# EAGLE board working (EAGLE 9.6.2), part 20 of 28
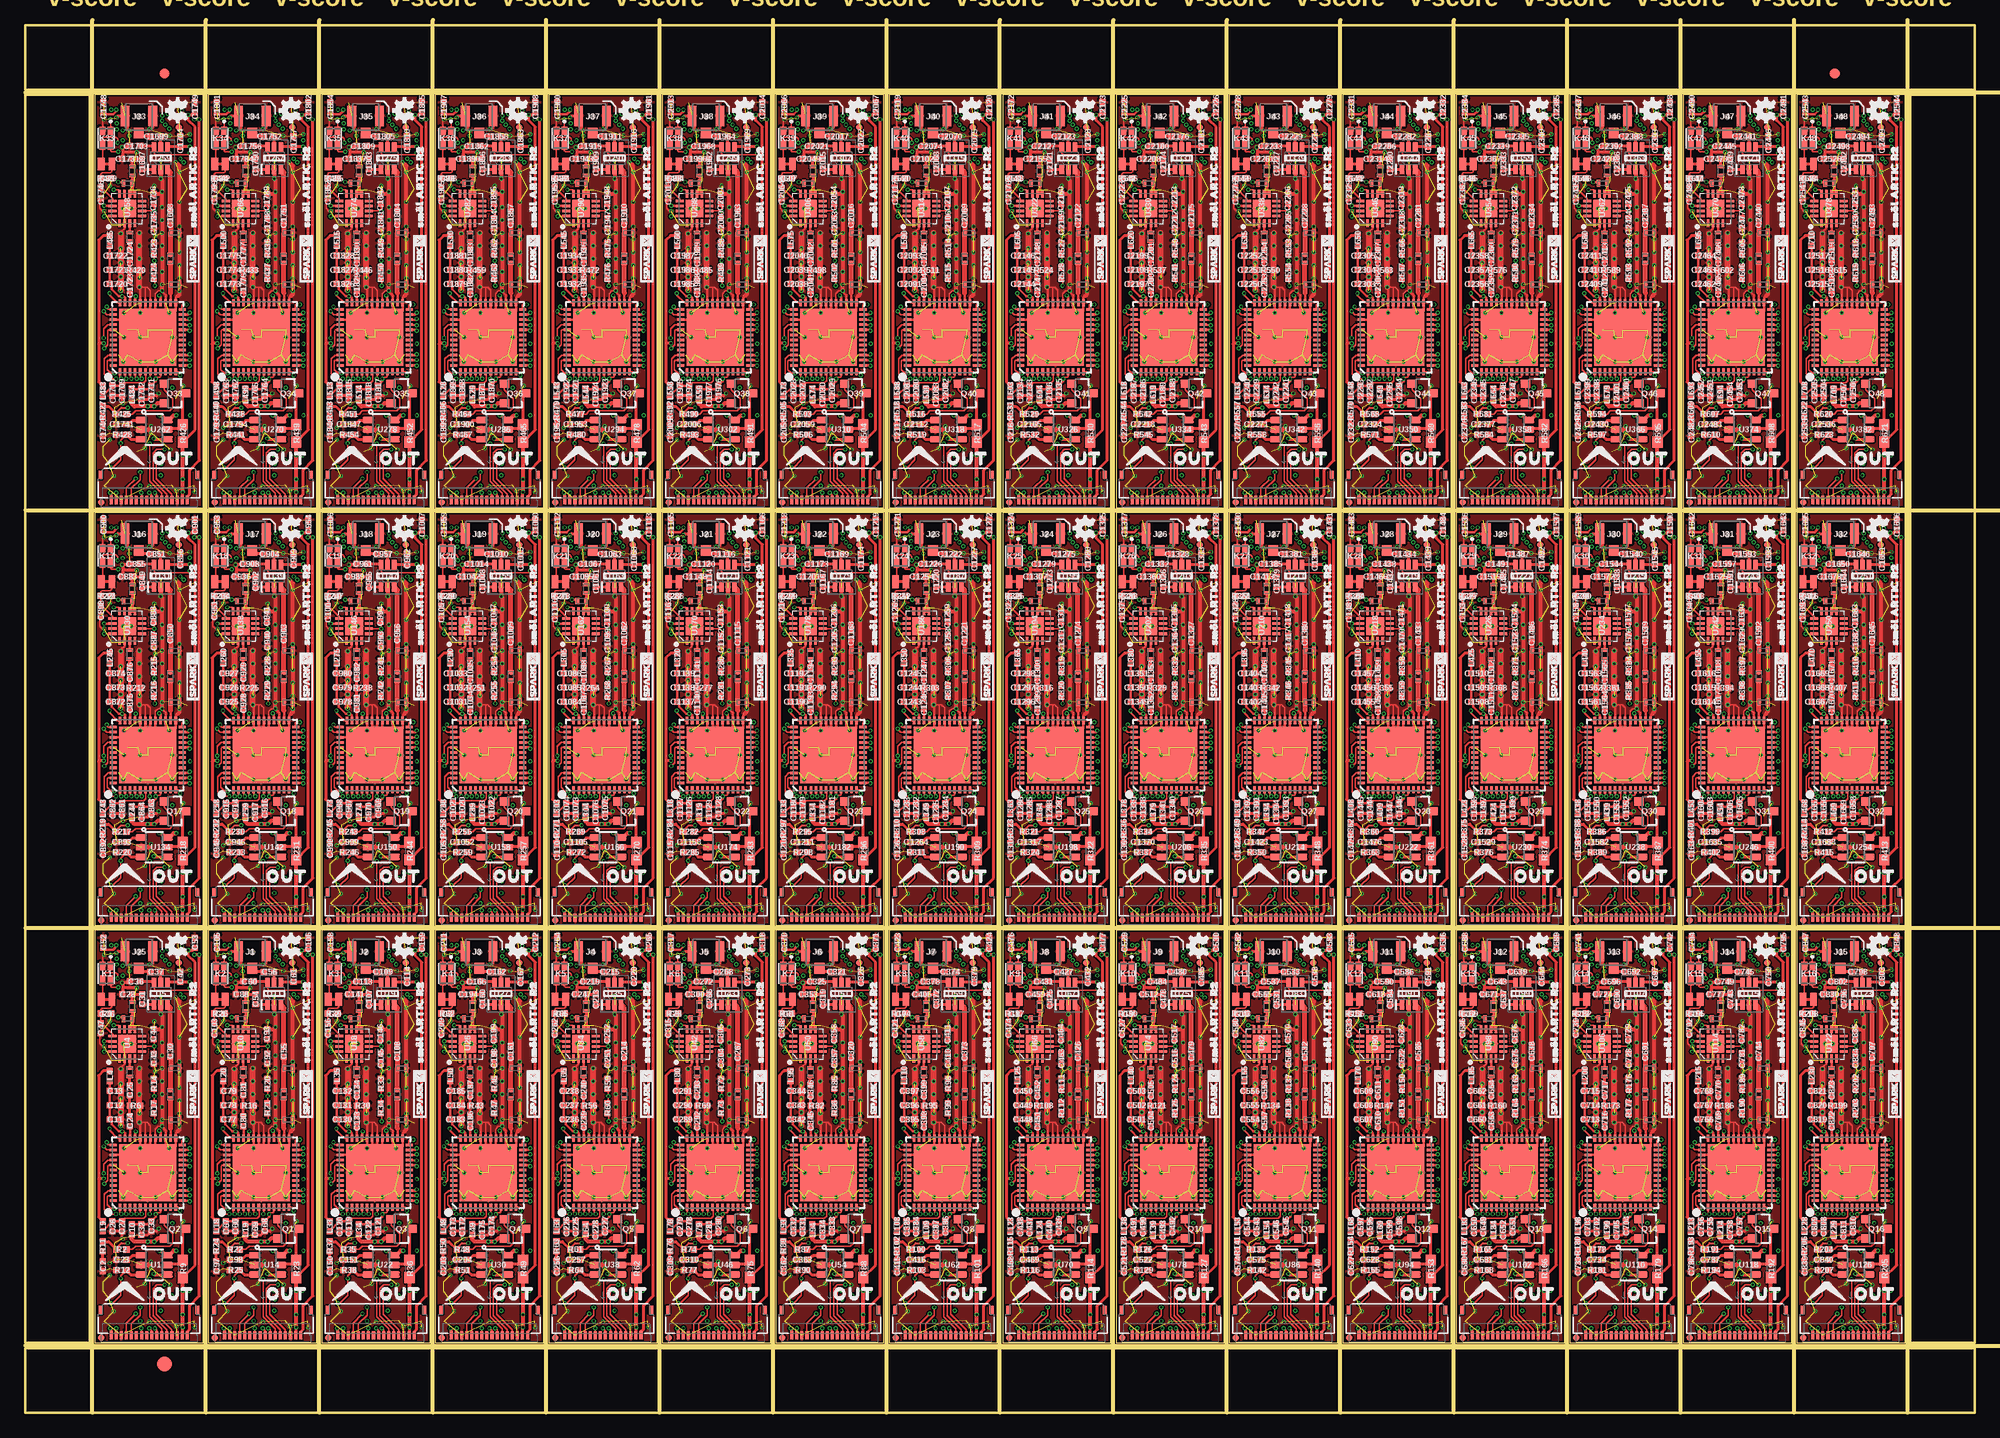
[diagram p0: board, top side]
## Tracks (layer width: path | path; a pad name or v marks a point on that pad's centre or on a via) (continued)
INT16  (via drill 0.2) (continued)
  Top 0.152: U121.47 175.8,21.37 175.7,21.27 175.7,20.45 176.09,20.07 v176.4,20.07
  Route15 0.127: v176.4,20.07 176.4,20.01 176.19,19.79 176.19,17.15 177.67,15.66 177.67,12.07 178.71,11.04 180.1,11.04 180.59,10.54 180.59,9.88 180.82,9.65 181.13,9.65 181.35,9.88 181.35,10.86 v181.04,11.18
  Bottom 0.152: U128.2 181.35,10.36 181.04,10.67 v181.04,11.18
INT17  (via drill 0.2)
  Top 0.152: U129.47 8.16,62.52 8.06,62.42 8.06,61.59 8.45,61.21 v8.76,61.21
  Route15 0.127: v8.76,61.21 8.76,61.15 8.55,60.94 8.55,58.29 10.03,56.81 10.03,53.22 11.07,52.18 12.46,52.18 12.95,51.69 12.95,51.02 13.18,50.8 13.49,50.8 13.71,51.02 13.71,52.01 v13.4,52.32
  Bottom 0.152: U136.2 13.71,51.51 13.4,51.82 v13.4,52.32
INT18  (via drill 0.2)
  Top 0.152: U137.47 19.34,62.52 19.24,62.42 19.24,61.59 19.62,61.21 v19.94,61.21
  Route15 0.127: v19.94,61.21 19.94,61.15 19.72,60.94 19.72,58.29 21.21,56.81 21.21,53.22 22.24,52.18 23.64,52.18 24.13,51.69 24.13,51.02 24.35,50.8 24.67,50.8 24.89,51.02 24.89,52.01 v24.57,52.32
  Bottom 0.152: U144.2 24.88,51.51 24.57,51.82 v24.57,52.32
INT19  (via drill 0.2)
  Top 0.152: U145.47 30.52,62.52 30.42,62.42 30.42,61.59 30.8,61.21 v31.12,61.21
  Route15 0.127: v31.12,61.21 31.12,61.15 30.9,60.94 30.9,58.29 32.38,56.81 32.38,53.22 33.42,52.18 34.81,52.18 35.31,51.69 35.31,51.02 35.53,50.8 35.84,50.8 36.07,51.02 36.07,52.01 v35.75,52.32
  Bottom 0.152: U152.2 36.06,51.51 35.75,51.82 v35.75,52.32
INT20  (via drill 0.2)
  Top 0.152: U153.47 41.69,62.52 41.59,62.42 41.59,61.59 41.97,61.21 v42.29,61.21
  Route15 0.127: v42.29,61.21 42.29,61.15 42.07,60.94 42.07,58.29 43.56,56.81 43.56,53.22 44.59,52.18 45.99,52.18 46.48,51.69 46.48,51.02 46.71,50.8 47.02,50.8 47.24,51.02 47.24,52.01 v46.93,52.32
  Bottom 0.152: U160.2 47.24,51.51 46.93,51.82 v46.93,52.32
INT21  (via drill 0.2)
  Top 0.152: U161.47 52.87,62.52 52.77,62.42 52.77,61.59 53.15,61.21 v53.47,61.21
  Route15 0.127: v53.47,61.21 53.47,61.15 53.25,60.94 53.25,58.29 54.73,56.81 54.73,53.22 55.77,52.18 57.17,52.18 57.66,51.69 57.66,51.02 57.88,50.8 58.2,50.8 58.42,51.02 58.42,52.01 v58.1,52.32
  Bottom 0.152: U168.2 58.41,51.51 58.1,51.82 v58.1,52.32
INT22  (via drill 0.2)
  Top 0.152: U169.47 64.04,62.52 63.95,62.42 63.95,61.59 64.33,61.21 v64.64,61.21
  Route15 0.127: v64.64,61.21 64.64,61.15 64.43,60.94 64.43,58.29 65.91,56.81 65.91,53.22 66.95,52.18 68.34,52.18 68.83,51.69 68.83,51.02 69.06,50.8 69.37,50.8 69.59,51.02 69.59,52.01 v69.28,52.32
  Bottom 0.152: U176.2 69.59,51.51 69.28,51.82 v69.28,52.32
INT23  (via drill 0.2)
  Top 0.152: U177.47 75.22,62.52 75.12,62.42 75.12,61.59 75.5,61.21 v75.82,61.21
  Route15 0.127: v75.82,61.21 75.82,61.15 75.6,60.94 75.6,58.29 77.09,56.81 77.09,53.22 78.12,52.18 79.52,52.18 80.01,51.69 80.01,51.02 80.23,50.8 80.55,50.8 80.77,51.02 80.77,52.01 v80.45,52.32
  Bottom 0.152: U184.2 80.76,51.51 80.45,51.82 v80.45,52.32
INT24  (via drill 0.2)
  Top 0.152: U185.47 86.4,62.52 86.3,62.42 86.3,61.59 86.68,61.21 v87,61.21
  Route15 0.127: v87,61.21 87,61.15 86.78,60.94 86.78,58.29 88.26,56.81 88.26,53.22 89.3,52.18 90.7,52.18 91.19,51.69 91.19,51.02 91.41,50.8 91.72,50.8 91.95,51.02 91.95,52.01 v91.63,52.32
  Bottom 0.152: U192.2 91.94,51.51 91.63,51.82 v91.63,52.32
INT25  (via drill 0.2)
  Top 0.152: U193.47 97.57,62.52 97.47,62.42 97.47,61.59 97.85,61.21 v98.17,61.21
  Route15 0.127: v98.17,61.21 98.17,61.15 97.95,60.94 97.95,58.29 99.44,56.81 99.44,53.22 100.47,52.18 101.87,52.18 102.36,51.69 102.36,51.02 102.59,50.8 102.9,50.8 103.12,51.02 103.12,52.01 v102.81,52.32
  Bottom 0.152: U200.2 103.12,51.51 102.81,51.82 v102.81,52.32
INT26  (via drill 0.2)
  Top 0.152: U201.47 108.75,62.52 108.65,62.42 108.65,61.59 109.03,61.21 v109.35,61.21
  Route15 0.127: v109.35,61.21 109.35,61.15 109.13,60.94 109.13,58.29 110.62,56.81 110.62,53.22 111.65,52.18 113.05,52.18 113.54,51.69 113.54,51.02 113.76,50.8 114.08,50.8 114.3,51.02 114.3,52.01 v113.98,52.32
  Bottom 0.152: U208.2 114.29,51.51 113.98,51.82 v113.98,52.32
INT27  (via drill 0.2)
  Top 0.152: U209.47 119.92,62.52 119.82,62.42 119.82,61.59 120.2,61.21 v120.52,61.21
  Route15 0.127: v120.52,61.21 120.52,61.15 120.31,60.94 120.31,58.29 121.79,56.81 121.79,53.22 122.83,52.18 124.22,52.18 124.71,51.69 124.71,51.02 124.94,50.8 125.25,50.8 125.47,51.02 125.47,52.01 v125.16,52.32
  Bottom 0.152: U216.2 125.47,51.51 125.16,51.82 v125.16,52.32
INT28  (via drill 0.2)
  Top 0.152: U217.47 131.1,62.52 131,62.42 131,61.59 131.38,61.21 v131.7,61.21
  Route15 0.127: v131.7,61.21 131.7,61.15 131.48,60.94 131.48,58.29 132.97,56.81 132.97,53.22 134,52.18 135.4,52.18 135.89,51.69 135.89,51.02 136.11,50.8 136.43,50.8 136.65,51.02 136.65,52.01 v136.33,52.32
  Bottom 0.152: U224.2 136.64,51.51 136.33,51.82 v136.33,52.32
INT29  (via drill 0.2)
  Top 0.152: U225.47 142.28,62.52 142.18,62.42 142.18,61.59 142.56,61.21 v142.88,61.21
  Route15 0.127: v142.88,61.21 142.88,61.15 142.66,60.94 142.66,58.29 144.14,56.81 144.14,53.22 145.18,52.18 146.58,52.18 147.07,51.69 147.07,51.02 147.29,50.8 147.6,50.8 147.83,51.02 147.83,52.01 v147.51,52.32
  Bottom 0.152: U232.2 147.82,51.51 147.51,51.82 v147.51,52.32
INT30  (via drill 0.2)
  Top 0.152: U233.47 153.45,62.52 153.35,62.42 153.35,61.59 153.73,61.21 v154.05,61.21
  Route15 0.127: v154.05,61.21 154.05,61.15 153.84,60.94 153.84,58.29 155.32,56.81 155.32,53.22 156.35,52.18 157.75,52.18 158.24,51.69 158.24,51.02 158.47,50.8 158.78,50.8 159,51.02 159,52.01 v158.69,52.32
  Bottom 0.152: U240.2 159,51.51 158.69,51.82 v158.69,52.32
INT31  (via drill 0.2)
  Top 0.152: U241.47 164.63,62.52 164.53,62.42 164.53,61.59 164.91,61.21 v165.23,61.21
  Route15 0.127: v165.23,61.21 165.23,61.15 165.01,60.94 165.01,58.29 166.5,56.81 166.5,53.22 167.53,52.18 168.93,52.18 169.42,51.69 169.42,51.02 169.64,50.8 169.96,50.8 170.18,51.02 170.18,52.01 v169.86,52.32
  Bottom 0.152: U248.2 170.17,51.51 169.86,51.82 v169.86,52.32
INT32  (via drill 0.2)
  Top 0.152: U249.47 175.8,62.52 175.7,62.42 175.7,61.59 176.09,61.21 v176.4,61.21
  Route15 0.127: v176.4,61.21 176.4,61.15 176.19,60.94 176.19,58.29 177.67,56.81 177.67,53.22 178.71,52.18 180.1,52.18 180.59,51.69 180.59,51.02 180.82,50.8 181.13,50.8 181.35,51.02 181.35,52.01 v181.04,52.32
  Bottom 0.152: U256.2 181.35,51.51 181.04,51.82 v181.04,52.32
INT33  (via drill 0.2)
  Top 0.152: U257.47 8.16,103.67 8.06,103.57 8.06,102.74 8.45,102.36 v8.76,102.36
  Route15 0.127: v8.76,102.36 8.76,102.3 8.55,102.09 8.55,99.44 10.03,97.96 10.03,94.37 11.07,93.33 12.46,93.33 12.95,92.84 12.95,92.17 13.18,91.95 13.49,91.95 13.71,92.17 13.71,93.16 v13.4,93.47
  Bottom 0.152: U264.2 13.71,92.65 13.4,92.96 v13.4,93.47
INT34  (via drill 0.2)
  Top 0.152: U265.47 19.34,103.67 19.24,103.57 19.24,102.74 19.62,102.36 v19.94,102.36
  Route15 0.127: v19.94,102.36 19.94,102.3 19.72,102.09 19.72,99.44 21.21,97.96 21.21,94.37 22.24,93.33 23.64,93.33 24.13,92.84 24.13,92.17 24.35,91.95 24.67,91.95 24.89,92.17 24.89,93.16 v24.57,93.47
  Bottom 0.152: U272.2 24.88,92.65 24.57,92.96 v24.57,93.47
INT35  (via drill 0.2)
  Top 0.152: U273.47 30.52,103.67 30.42,103.57 30.42,102.74 30.8,102.36 v31.12,102.36
  Route15 0.127: v31.12,102.36 31.12,102.3 30.9,102.09 30.9,99.44 32.38,97.96 32.38,94.37 33.42,93.33 34.81,93.33 35.31,92.84 35.31,92.17 35.53,91.95 35.84,91.95 36.07,92.17 36.07,93.16 v35.75,93.47
  Bottom 0.152: U280.2 36.06,92.65 35.75,92.96 v35.75,93.47
INT36  (via drill 0.2)
  Top 0.152: U281.47 41.69,103.67 41.59,103.57 41.59,102.74 41.97,102.36 v42.29,102.36
  Route15 0.127: v42.29,102.36 42.29,102.3 42.07,102.09 42.07,99.44 43.56,97.96 43.56,94.37 44.59,93.33 45.99,93.33 46.48,92.84 46.48,92.17 46.71,91.95 47.02,91.95 47.24,92.17 47.24,93.16 v46.93,93.47
  Bottom 0.152: U288.2 47.24,92.65 46.93,92.96 v46.93,93.47
INT37  (via drill 0.2)
  Top 0.152: U289.47 52.87,103.67 52.77,103.57 52.77,102.74 53.15,102.36 v53.47,102.36
  Route15 0.127: v53.47,102.36 53.47,102.3 53.25,102.09 53.25,99.44 54.73,97.96 54.73,94.37 55.77,93.33 57.17,93.33 57.66,92.84 57.66,92.17 57.88,91.95 58.2,91.95 58.42,92.17 58.42,93.16 v58.1,93.47
  Bottom 0.152: U296.2 58.41,92.65 58.1,92.96 v58.1,93.47
INT38  (via drill 0.2)
  Top 0.152: U297.47 64.04,103.67 63.95,103.57 63.95,102.74 64.33,102.36 v64.64,102.36
  Route15 0.127: v64.64,102.36 64.64,102.3 64.43,102.09 64.43,99.44 65.91,97.96 65.91,94.37 66.95,93.33 68.34,93.33 68.83,92.84 68.83,92.17 69.06,91.95 69.37,91.95 69.59,92.17 69.59,93.16 v69.28,93.47
  Bottom 0.152: U304.2 69.59,92.65 69.28,92.96 v69.28,93.47
INT39  (via drill 0.2)
  Top 0.152: U305.47 75.22,103.67 75.12,103.57 75.12,102.74 75.5,102.36 v75.82,102.36
  Route15 0.127: v75.82,102.36 75.82,102.3 75.6,102.09 75.6,99.44 77.09,97.96 77.09,94.37 78.12,93.33 79.52,93.33 80.01,92.84 80.01,92.17 80.23,91.95 80.55,91.95 80.77,92.17 80.77,93.16 v80.45,93.47
  Bottom 0.152: U312.2 80.76,92.65 80.45,92.96 v80.45,93.47
INT40  (via drill 0.2)
  Top 0.152: U313.47 86.4,103.67 86.3,103.57 86.3,102.74 86.68,102.36 v87,102.36
  Route15 0.127: v87,102.36 87,102.3 86.78,102.09 86.78,99.44 88.26,97.96 88.26,94.37 89.3,93.33 90.7,93.33 91.19,92.84 91.19,92.17 91.41,91.95 91.72,91.95 91.95,92.17 91.95,93.16 v91.63,93.47
  Bottom 0.152: U320.2 91.94,92.65 91.63,92.96 v91.63,93.47
INT41  (via drill 0.2)
  Top 0.152: U321.47 97.57,103.67 97.47,103.57 97.47,102.74 97.85,102.36 v98.17,102.36
  Route15 0.127: v98.17,102.36 98.17,102.3 97.95,102.09 97.95,99.44 99.44,97.96 99.44,94.37 100.47,93.33 101.87,93.33 102.36,92.84 102.36,92.17 102.59,91.95 102.9,91.95 103.12,92.17 103.12,93.16 v102.81,93.47
  Bottom 0.152: U328.2 103.12,92.65 102.81,92.96 v102.81,93.47
INT42  (via drill 0.2)
  Top 0.152: U329.47 108.75,103.67 108.65,103.57 108.65,102.74 109.03,102.36 v109.35,102.36
  Route15 0.127: v109.35,102.36 109.35,102.3 109.13,102.09 109.13,99.44 110.62,97.96 110.62,94.37 111.65,93.33 113.05,93.33 113.54,92.84 113.54,92.17 113.76,91.95 114.08,91.95 114.3,92.17 114.3,93.16 v113.98,93.47
  Bottom 0.152: U336.2 114.29,92.65 113.98,92.96 v113.98,93.47
INT43  (via drill 0.2)
  Top 0.152: U337.47 119.92,103.67 119.82,103.57 119.82,102.74 120.2,102.36 v120.52,102.36
  Route15 0.127: v120.52,102.36 120.52,102.3 120.31,102.09 120.31,99.44 121.79,97.96 121.79,94.37 122.83,93.33 124.22,93.33 124.71,92.84 124.71,92.17 124.94,91.95 125.25,91.95 125.47,92.17 125.47,93.16 v125.16,93.47
  Bottom 0.152: U344.2 125.47,92.65 125.16,92.96 v125.16,93.47
INT44  (via drill 0.2)
  Top 0.152: U345.47 131.1,103.67 131,103.57 131,102.74 131.38,102.36 v131.7,102.36
  Route15 0.127: v131.7,102.36 131.7,102.3 131.48,102.09 131.48,99.44 132.97,97.96 132.97,94.37 134,93.33 135.4,93.33 135.89,92.84 135.89,92.17 136.11,91.95 136.43,91.95 136.65,92.17 136.65,93.16 v136.33,93.47
  Bottom 0.152: U352.2 136.64,92.65 136.33,92.96 v136.33,93.47
INT45  (via drill 0.2)
  Top 0.152: U353.47 142.28,103.67 142.18,103.57 142.18,102.74 142.56,102.36 v142.88,102.36
  Route15 0.127: v142.88,102.36 142.88,102.3 142.66,102.09 142.66,99.44 144.14,97.96 144.14,94.37 145.18,93.33 146.58,93.33 147.07,92.84 147.07,92.17 147.29,91.95 147.6,91.95 147.83,92.17 147.83,93.16 v147.51,93.47
  Bottom 0.152: U360.2 147.82,92.65 147.51,92.96 v147.51,93.47
INT46  (via drill 0.2)
  Top 0.152: U361.47 153.45,103.67 153.35,103.57 153.35,102.74 153.73,102.36 v154.05,102.36
  Route15 0.127: v154.05,102.36 154.05,102.3 153.84,102.09 153.84,99.44 155.32,97.96 155.32,94.37 156.35,93.33 157.75,93.33 158.24,92.84 158.24,92.17 158.47,91.95 158.78,91.95 159,92.17 159,93.16 v158.69,93.47
  Bottom 0.152: U368.2 159,92.65 158.69,92.96 v158.69,93.47
INT47  (via drill 0.2)
  Top 0.152: U369.47 164.63,103.67 164.53,103.57 164.53,102.74 164.91,102.36 v165.23,102.36
  Route15 0.127: v165.23,102.36 165.23,102.3 165.01,102.09 165.01,99.44 166.5,97.96 166.5,94.37 167.53,93.33 168.93,93.33 169.42,92.84 169.42,92.17 169.64,91.95 169.96,91.95 170.18,92.17 170.18,93.16 v169.86,93.47
  Bottom 0.152: U376.2 170.17,92.65 169.86,92.96 v169.86,93.47
INT48  (via drill 0.2)
  Top 0.152: U377.47 175.8,103.67 175.7,103.57 175.7,102.74 176.09,102.36 v176.4,102.36
  Route15 0.127: v176.4,102.36 176.4,102.3 176.19,102.09 176.19,99.44 177.67,97.96 177.67,94.37 178.71,93.33 180.1,93.33 180.59,92.84 180.59,92.17 180.82,91.95 181.13,91.95 181.35,92.17 181.35,93.16 v181.04,93.47
  Bottom 0.152: U384.2 181.35,92.65 181.04,92.96 v181.04,93.47
N$1
  Top 0.305: U1.5 14.06,14.61 15.09,14.61 R9.1 15.49,17.82 Q2.3
N$2
  Top 0.152: R2.1 10.54,16.07 10.86,16.38 14.22,16.38 14.54,16.7 14.54,17.59 13.67,18.46 Q2.1
N$3  (via drill 0.2)
  Top 0.203: R2.2 8.96,16.2 9.46,16.7 v10.08,16.7
  Top 0.305: v12.64,13.65 12.7,13.59 U1.4 | R11.1 7.68,16.83 8.2,16.83 R2.2
  Bottom 0.203: v12.64,13.65 12.32,13.65 11.56,14.41 11.56,16.32 11.18,16.7 v10.08,16.7
N$4  (via drill 0.2)
  Top 0.254: U3.24 15.46,26.77 15.56,26.86 v15.88,26.86
  Bottom 0.305: C35.1 14.48,27.63 14.48,27.42 14.91,26.99 L13.1 v15.88,26.86 15.88,27.44 C34.1
N$5  (via drill 0.2)
  Top 0.254: U3.23 15.94,25.87 15.95,25.88 16.04,25.88 v16.19,26.04
  Bottom 0.305: L15.1 15.49,25.84 15.68,26.04 v16.19,26.04
  Bottom 0.406: C40.1 C41.1 L15.1
N$6
  Top 0.305: C2.1 R11.2
  Top 0.406: 7.61,15.88 R11.2
N$7
  Top 0.305: U1.1 11.34,15.43 10.53,15.43 10.15,15.05 C23.1
N$8
  Top 0.152: U3.6 11.87,20.17 11.87,19.34 11.67,19.14 9.81,19.14 C27.1 | L9.1 7.62,17.88 8.57,18.83 C26.1
  Top 0.254: C26.1 C27.1
N$9  (via drill 0.2)
  Top 0.152: v12.83,19.56 12.83,19.62 12.88,19.67 13.21,19.67 13.31,19.77 U3.9
  Top 0.254: L10.1 C32.1 12.06,18.53 C33.1 12.83,19.3 v12.83,19.56
  Bottom 0.152: v12.83,19.56 12.07,18.8 R8.1 R5.2
N$10  (via drill 0.2)
  Top 0.254: U3.35 9.81,27.53 9.65,27.69 v9.52,27.69 9.21,27.69 8.52,28.38 8.52,28.7 C11.1 C12.1 C13.1 L4.1 | U3.28 13.31,27.62 v13.19,27.75 | U3.33 10.81,27.63 v10.87,27.69
  Bottom 0.254: v13.19,27.75 13.13,27.69 v10.87,27.69 v9.52,27.69
N$11  (via drill 0.2)
  Top 0.152: U3.36 9.05,27.02 8.29,27.79 v8.29,27.98
  Bottom 0.254: L3.1 8.64,28.32 v8.29,27.98 8.29,27.96 8.82,27.43 C8.1 8.83,27.3 9.28,26.86 C7.1
N$12  (via drill 0.2)
  Top 0.127: U3.41 8.19,24.37 8.1,24.28 8.1,22.89 v7.76,22.54
  Bottom 0.152: v7.76,22.54 7.76,21.96 R4.1
N$13  (via drill 0.2)
  Top 0.152: U3.40 8.11,24.87 7.71,24.48 v7.71,23.56
  Bottom 0.152: v7.71,23.56 8.5,23.56 C5.1 C6.1 L2.1
N$14  (via drill 0.2)
  Top 0.152: v8,26.63 8,26.53 8.16,26.37 U3.37
  Bottom 0.152: v8,26.63 8.51,26.12 9.02,26.12 9.49,25.64 9.76,25.64 X1.4 11.09,25.3 C10.1 C9.1
N$15
  Bottom 0.152: C17.1 7.77,24.48 8.59,25.3 X1.3
N$16  (via drill 0.2)
  Top 0.152: U3.38 8.01,25.87 7.71,26.17 v7.71,26.21
  Bottom 0.152: v7.71,26.21 7.68,26.18 C17.2
N$17
  Top 0.254: U3.34 10.31,28.17 C24.1
N$18
  Top 0.254: 10.29,30.22 R6.2 | C25.1
  Top 0.305: C24.2 10.29,30.22 | R6.2 C25.1
N$19  (via drill 0.2)
  Top 0.254: v7.75,36.58 U4.14
  Bottom 0.254: L5.P$2 7.76,36.59 v7.75,36.58
N$20
  Bottom 0.254: C15.1 C18.1 R3.1 9.04,37.45 L5.P$1
N$21
  Top 0.254: C29.P$1 14.3,30.96 14.29,30.94 14.3,30.93 | 14.31,28.81 L11.P$2 arc-45 L11.P$2 | U3.26 14.31,27.99 14.3,28
  Top 0.508: 14.3,28 L11.P$2 | L11.P$2 14.3,30.93
N$22
  Top 0.305: C54.1 23.83,40.2 U11.1
N$23
  Top 0.508: C55.1 25.46,39.87 U11.3
N$24
  Top 0.305: C25.2 L7.P$1
N$25
  Top 0.254: L7.P$2 U4.3
N$26
  Top 0.254: U4.10 10.54,37.77 U4.9
  Top 0.305: 10.54,38.79 L6.P$2 | 10.54,38.79 10.54,37.77 | L8.P$1 10.54,38.79
N$27
  Top 0.305: U11.5 24.51,43.43 C56.2
N$28
  Top 0.305: C31.1 12.66,40.2 U5.1
N$29
  Top 0.508: C30.1 14.29,39.87 U5.3
N$30
  Top 0.305: U5.5 13.34,43.43 C37.2
N$31  (via drill 0.2)
  Top 0.254: U3.20 16.08,24.37 v16.19,24.26
  Bottom 0.152: C39.1 15.49,22.41 16.5,22.41 16.64,22.54 16.64,23.81 v16.19,24.26
  Bottom 0.254: C39.1 C38.1 L14.1
N$32  (via drill 0.2)
  Top 0.254: U9.24 26.64,26.77 26.73,26.86 v27.05,26.86
  Bottom 0.305: C63.1 25.65,27.63 25.65,27.42 26.09,26.99 L16.1 v27.05,26.86 27.05,27.44 C62.1
N$33  (via drill 0.2)
  Top 0.254: U9.23 27.12,25.87 27.12,25.88 27.21,25.88 v27.37,26.04
  Bottom 0.305: L17.1 26.67,25.84 26.86,26.04 v27.37,26.04
  Bottom 0.406: C64.1 C65.1 L17.1
N$34
  Top 0.152: U9.6 23.04,20.17 23.04,19.34 22.84,19.14 20.99,19.14 C66.1 | L18.1 18.8,17.88 19.75,18.83 C67.1
  Top 0.254: C67.1 C66.1
N$35  (via drill 0.2)
  Top 0.152: v24,19.56 24,19.62 24.05,19.67 24.39,19.67 24.49,19.77 U9.9
  Top 0.254: L19.1 C69.1 23.24,18.53 C68.1 24,19.3 v24,19.56
  Bottom 0.152: v24,19.56 23.24,18.8 R10.1 R13.2
N$36  (via drill 0.2)
  Top 0.254: U9.35 20.99,27.53 20.83,27.69 v20.7,27.69 20.38,27.69 19.69,28.38 19.69,28.7 C77.1 C78.1 C79.1 L20.1 | U9.28 24.49,27.62 v24.37,27.75 | U9.33 21.99,27.63 v22.05,27.69
  Bottom 0.254: v24.37,27.75 24.3,27.69 v22.05,27.69 v20.7,27.69
N$37  (via drill 0.2)
  Top 0.152: U9.36 20.23,27.02 19.47,27.79 v19.47,27.98
  Bottom 0.254: L21.1 19.81,28.32 v19.47,27.98 19.47,27.96 19.99,27.43 C71.1 20.01,27.3 20.45,26.86 C70.1
N$38  (via drill 0.2)
  Top 0.127: U9.41 19.37,24.37 19.28,24.28 19.28,22.89 v18.94,22.54
  Bottom 0.152: v18.94,22.54 18.94,21.96 R15.1
N$39  (via drill 0.2)
  Top 0.152: U9.40 19.28,24.87 18.89,24.48 v18.89,23.56
  Bottom 0.152: v18.89,23.56 19.68,23.56 C72.1 C73.1 L22.1
N$40  (via drill 0.2)
  Top 0.152: v19.18,26.63 19.18,26.53 19.33,26.37 U9.37
  Bottom 0.152: v19.18,26.63 19.68,26.12 20.19,26.12 20.67,25.64 20.93,25.64 X2.4 22.26,25.3 C75.1 C74.1
N$41
  Bottom 0.152: C76.1 18.95,24.48 19.77,25.3 X2.3
N$42  (via drill 0.2)
  Top 0.152: U9.38 19.18,25.87 18.88,26.17 v18.88,26.21
  Bottom 0.152: v18.88,26.21 18.86,26.18 C76.2
N$43
  Top 0.254: U9.34 21.49,28.17 C80.1
N$44
  Top 0.254: R16.2 | C81.1
  Top 0.305: C80.2 R16.2 | R16.2 C81.1
N$45  (via drill 0.2)
  Top 0.254: v18.92,36.58 U10.14
  Bottom 0.254: L24.P$2 18.94,36.59 v18.92,36.58
N$46
  Bottom 0.254: C86.1 C85.1 R19.1 20.21,37.45 L24.P$1
N$47
  Top 0.305: C81.2 L23.P$1
N$48
  Top 0.254: L23.P$2 U10.3
N$49
  Top 0.254: U10.10 21.72,37.77 U10.9
  Top 0.305: 21.72,38.79 L25.P$2 | 21.72,38.79 21.72,37.77 | L26.P$1 21.72,38.79
N$50
  Top 0.254: C87.P$1 25.48,30.96 25.46,30.94 25.47,30.93 25.48,30.93 | 25.49,28.81 L27.P$2 arc-45 L27.P$2 | U9.26 25.49,27.99 25.48,28
  Top 0.508: 25.48,28 L27.P$2 | L27.P$2 25.47,30.93
N$51  (via drill 0.2)
  Top 0.254: U9.20 27.25,24.37 v27.37,24.26
  Bottom 0.152: C94.1 26.67,22.41 27.68,22.41 27.81,22.54 27.81,23.81 v27.37,24.26
  Bottom 0.254: C94.1 C95.1 L29.1
N$52
  Top 0.305: U14.5 25.24,14.61 26.27,14.61 R23.1 26.67,17.82 Q1.3
N$53
  Top 0.152: R22.1 21.72,16.07 22.04,16.38 25.4,16.38 25.72,16.7 25.72,17.59 24.84,18.46 Q1.1
N$54  (via drill 0.2)
  Top 0.203: R22.2 20.14,16.2 20.64,16.7 v21.26,16.7
  Top 0.305: v23.81,13.65 23.87,13.59 U14.4 | R24.1 18.85,16.83 19.38,16.83 R22.2
  Bottom 0.203: v23.81,13.65 23.5,13.65 22.73,14.41 22.73,16.32 22.35,16.7 v21.26,16.7
N$55
  Top 0.305: C97.1 R24.2
  Top 0.406: 18.79,15.88 R24.2
N$56
  Top 0.305: U14.1 22.52,15.43 21.71,15.43 21.33,15.05 C98.1
N$57
  Top 0.305: C107.1 35.01,40.2 U19.1
N$58
  Top 0.508: C108.1 36.64,39.87 U19.3
N$59
  Top 0.305: U19.5 35.69,43.43 C109.2
N$60  (via drill 0.2)
  Top 0.254: U17.24 37.82,26.77 37.91,26.86 v38.23,26.86
  Bottom 0.305: C116.1 36.83,27.63 36.83,27.42 37.27,26.99 L31.1 v38.23,26.86 38.23,27.44 C115.1
N$61  (via drill 0.2)
  Top 0.254: U17.23 38.29,25.87 38.3,25.88 38.39,25.88 v38.54,26.04
  Bottom 0.305: L32.1 37.85,25.84 38.04,26.04 v38.54,26.04
  Bottom 0.406: C117.1 C118.1 L32.1
N$62
  Top 0.152: U17.6 34.22,20.17 34.22,19.34 34.02,19.14 32.17,19.14 C119.1 | L33.1 29.97,17.88 30.93,18.83 C120.1
  Top 0.254: C120.1 C119.1
N$63  (via drill 0.2)
  Top 0.152: v35.18,19.56 35.18,19.62 35.23,19.67 35.57,19.67 35.67,19.77 U17.9
  Top 0.254: L34.1 C122.1 34.42,18.53 C121.1 35.18,19.3 v35.18,19.56
  Bottom 0.152: v35.18,19.56 34.42,18.8 R27.1 R28.2
N$64  (via drill 0.2)
  Top 0.254: U17.35 32.17,27.53 32,27.69 v31.88,27.69 31.56,27.69 30.87,28.38 30.87,28.7 C130.1 C131.1 C132.1 L35.1 | U17.28 35.67,27.62 v35.54,27.75 | U17.33 33.17,27.63 v33.22,27.69
  Bottom 0.254: v35.54,27.75 35.48,27.69 v33.22,27.69 v31.88,27.69
N$65  (via drill 0.2)
  Top 0.152: U17.36 31.41,27.02 30.64,27.79 v30.64,27.98
  Bottom 0.254: L36.1 30.99,28.32 v30.64,27.98 30.64,27.96 31.17,27.43 C124.1 31.19,27.3 31.63,26.86 C123.1
N$66  (via drill 0.2)
  Top 0.127: U17.41 30.54,24.37 30.46,24.28 30.46,22.89 v30.11,22.54
  Bottom 0.152: v30.11,22.54 30.11,21.96 R29.1
N$67  (via drill 0.2)
  Top 0.152: U17.40 30.46,24.87 30.06,24.48 v30.06,23.56
  Bottom 0.152: v30.06,23.56 30.85,23.56 C125.1 C126.1 L37.1
N$68  (via drill 0.2)
  Top 0.152: v30.35,26.63 30.35,26.53 30.51,26.37 U17.37
  Bottom 0.152: v30.35,26.63 30.86,26.12 31.37,26.12 31.84,25.64 32.11,25.64 X3.4 33.44,25.3 C128.1 C127.1
N$69
  Bottom 0.152: C129.1 30.12,24.48 30.95,25.3 X3.3
N$70  (via drill 0.2)
  Top 0.152: U17.38 30.36,25.87 30.06,26.17 v30.06,26.21
  Bottom 0.152: v30.06,26.21 30.04,26.18 C129.2
N$71
  Top 0.254: U17.34 32.67,28.17 C133.1
N$72
  Top 0.254: R30.2 | C134.1
  Top 0.305: C133.2 R30.2 | R30.2 C134.1
N$73  (via drill 0.2)
  Top 0.254: v30.1,36.58 U18.14
  Bottom 0.254: L39.P$2 30.11,36.59 v30.1,36.58
N$74
  Bottom 0.254: C139.1 C138.1 R32.1 31.39,37.45 L39.P$1
N$75
  Top 0.305: C134.2 L38.P$1
N$76
  Top 0.254: L38.P$2 U18.3
N$77
  Top 0.254: U18.10 32.89,37.77 U18.9
  Top 0.305: 32.89,38.79 L40.P$2 | 32.89,38.79 32.89,37.77 | L41.P$1 32.89,38.79
N$78
  Top 0.254: C140.P$1 36.65,30.96 36.64,30.94 36.65,30.93 | 36.67,28.81 L42.P$2 arc-45 L42.P$2 | U17.26 36.67,27.99 36.65,28
  Top 0.508: 36.65,28 L42.P$2 | L42.P$2 36.65,30.93
N$79  (via drill 0.2)
  Top 0.254: U17.20 38.43,24.37 v38.54,24.26
  Bottom 0.152: C147.1 37.85,22.41 38.85,22.41 38.99,22.54 38.99,23.81 v38.54,24.26
  Bottom 0.254: C147.1 C148.1 L44.1
N$80
  Top 0.305: U22.5 36.42,14.61 37.44,14.61 R36.1 37.85,17.82 Q3.3
N$81
  Top 0.152: R35.1 32.89,16.07 33.21,16.38 36.58,16.38 36.89,16.7 36.89,17.59 36.02,18.46 Q3.1
N$82  (via drill 0.2)
  Top 0.203: R35.2 31.31,16.2 31.81,16.7 v32.44,16.7
  Top 0.305: v34.99,13.65 35.05,13.59 U22.4 | R37.1 30.03,16.83 30.55,16.83 R35.2
  Bottom 0.203: v34.99,13.65 34.67,13.65 33.91,14.41 33.91,16.32 33.53,16.7 v32.44,16.7
N$83
  Top 0.305: C150.1 R37.2
  Top 0.406: 29.96,15.88 R37.2
N$84
  Top 0.305: U22.1 33.69,15.43 32.88,15.43 32.5,15.05 C151.1
N$85
  Top 0.305: C160.1 46.18,40.2 U27.1
N$86
  Top 0.508: C161.1 47.82,39.87 U27.3
N$87
  Top 0.305: U27.5 46.86,43.43 C162.2
N$88  (via drill 0.2)
  Top 0.254: U25.24 48.99,26.77 49.08,26.86 v49.4,26.86
  Bottom 0.305: C169.1 48.01,27.63 48.01,27.42 48.44,26.99 L46.1 v49.4,26.86 49.4,27.44 C168.1
N$89  (via drill 0.2)
  Top 0.254: U25.23 49.47,25.87 49.47,25.88 49.56,25.88 v49.72,26.04
  Bottom 0.305: L47.1 49.02,25.84 49.21,26.04 v49.72,26.04
  Bottom 0.406: C170.1 C171.1 L47.1
N$90
  Top 0.152: U25.6 45.39,20.17 45.39,19.34 45.19,19.14 43.34,19.14 C172.1 | L48.1 41.15,17.88 42.1,18.83 C173.1
  Top 0.254: C173.1 C172.1
N$91  (via drill 0.2)
  Top 0.152: v46.35,19.56 46.35,19.62 46.4,19.67 46.74,19.67 46.84,19.77 U25.9
  Top 0.254: L49.1 C175.1 45.59,18.53 C174.1 46.35,19.3 v46.35,19.56
  Bottom 0.152: v46.35,19.56 45.59,18.8 R40.1 R41.2
N$92  (via drill 0.2)
  Top 0.254: U25.35 43.34,27.53 43.18,27.69 v43.05,27.69 42.73,27.69 42.04,28.38 42.04,28.7 C183.1 C184.1 C185.1 L50.1 | U25.28 46.84,27.62 v46.72,27.75 | U25.33 44.34,27.63 v44.4,27.69
  Bottom 0.254: v46.72,27.75 46.65,27.69 v44.4,27.69 v43.05,27.69
N$93  (via drill 0.2)
  Top 0.152: U25.36 42.58,27.02 41.82,27.79 v41.82,27.98
  Bottom 0.254: L51.1 42.16,28.32 v41.82,27.98 41.82,27.96 42.35,27.43 C177.1 42.36,27.3 42.81,26.86 C176.1
N$94  (via drill 0.2)
  Top 0.127: U25.41 41.72,24.37 41.63,24.28 41.63,22.89 v41.29,22.54
  Bottom 0.152: v41.29,22.54 41.29,21.96 R42.1
N$95  (via drill 0.2)
  Top 0.152: U25.40 41.64,24.87 41.24,24.48 v41.24,23.56
  Bottom 0.152: v41.24,23.56 42.03,23.56 C178.1 C179.1 L52.1
N$96  (via drill 0.2)
  Top 0.152: v41.53,26.63 41.53,26.53 41.68,26.37 U25.37
  Bottom 0.152: v41.53,26.63 42.04,26.12 42.54,26.12 43.02,25.64 43.29,25.64 X4.4 44.62,25.3 C181.1 C180.1
N$97
  Bottom 0.152: C182.1 41.3,24.48 42.12,25.3 X4.3
N$98  (via drill 0.2)
  Top 0.152: U25.38 41.54,25.87 41.24,26.17 v41.24,26.21
  Bottom 0.152: v41.24,26.21 41.21,26.18 C182.2
N$99
  Top 0.254: U25.34 43.84,28.17 C186.1
N$100
  Top 0.254: 43.81,30.22 R43.2 | C187.1
  Top 0.305: C186.2 43.81,30.22 | R43.2 C187.1
N$101  (via drill 0.2)
  Top 0.254: v41.27,36.58 U26.14
  Bottom 0.254: L54.P$2 41.29,36.59 v41.27,36.58
N$102
  Bottom 0.254: C192.1 C191.1 R45.1 42.57,37.45 L54.P$1
N$103
  Top 0.305: C187.2 L53.P$1
N$104
  Top 0.254: L53.P$2 U26.3
N$105
  Top 0.254: U26.10 44.07,37.77 U26.9
  Top 0.305: 44.07,38.79 L55.P$2 | 44.07,38.79 44.07,37.77 | L56.P$1 44.07,38.79
N$106
  Top 0.254: C193.P$1 47.83,30.96 47.82,30.94 47.82,30.93 47.83,30.93 | 47.84,28.81 L57.P$2 arc-45 L57.P$2 | U25.26 47.84,27.99 47.83,28
  Top 0.508: 47.83,28 L57.P$2 | L57.P$2 47.82,30.93